# Altium PCB Thunderscope_Rev3.PCBDOC (part 5 of 6) (continued)
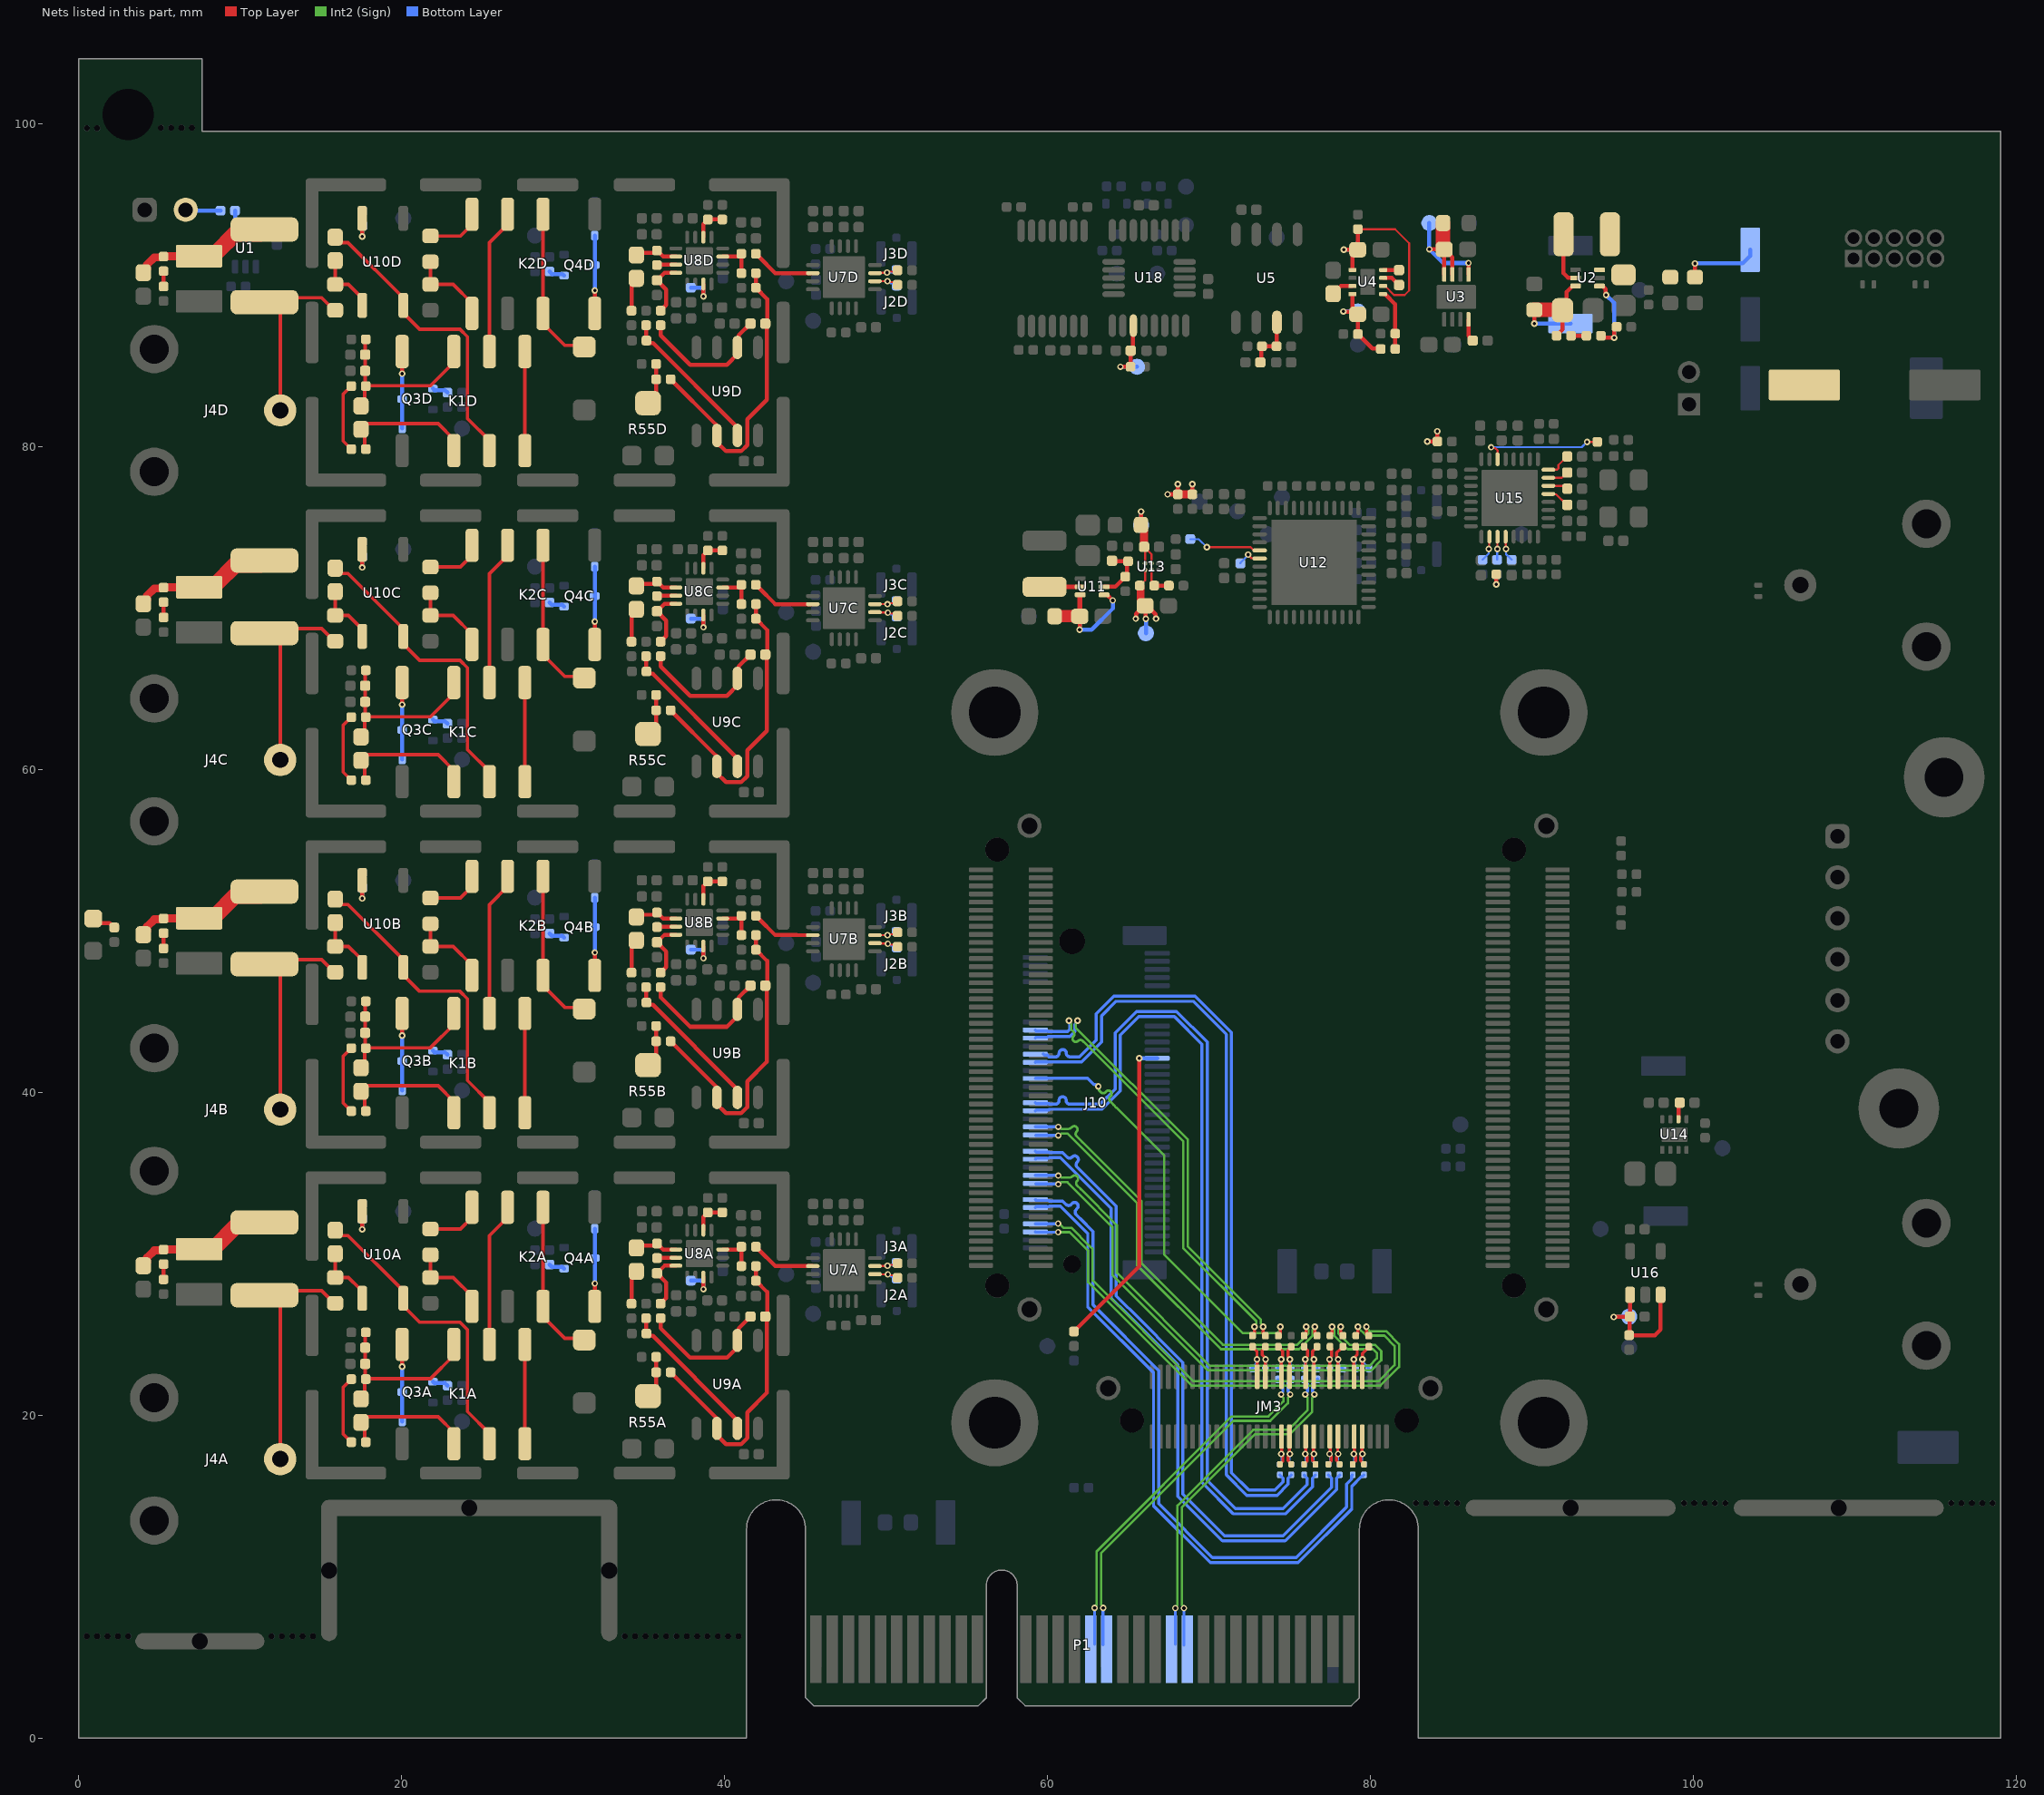
[diagram p9: the nets of this part, all layers, seen from the top]
## Nets (pads, with @x,y where several pads share a name; then routed paths per layer and width w, separated by ;. In a path a pad name is that pad's centre, name@x,y a point inside that pad or via, vN(x,y) a via of type N, cw(c..) or ccw(c..) an arc to the next point about the centre after c; other vN are vias at no path point) (continued)
NetC19D_2: C19D.2 K1D.2 R24D.1 | length 8.3
  Top Layer w0.213: R24D.1@17.775,79.825 17.712,79.888 17.712,80.813 C19D.2@17.475,81.05 C19D.2@17.8,81.375 ; C19D.2@17.8,81.4 22.25,81.4 23.225,80.425 K1D.2@23.225,79.73
NetC27A_1: C27A.1 R34A.2 U8A.2 | length 2.8
  Top Layer w0.25: C27A.1@34.525,30.461 C27A.1@34.525,30.35 34.663,30.488 35.662,30.488 R34A.2@35.8,30.625 35.814,30.625 36.189,30.25 U8A.2@36.975,30.25
NetC27A_2: C27A.2 R31A.2 | length 2.1
  Top Layer w0.25: R31A.2@34.225,26.9 34.225,28.489 34.525,28.789 C27A.2@34.525,28.9
NetC27B_1: C27B.1 R34B.2 U8B.2 | length 2.8
  Top Layer w0.25: C27B.1@34.525,50.85 34.525,50.961 34.552,50.988 35.662,50.988 R34B.2@35.8,51.125 35.814,51.125 36.189,50.75 U8B.2@36.975,50.75
NetC27B_2: C27B.2 R31B.2 | length 2.1
  Top Layer w0.25: R31B.2@34.225,47.4 34.225,48.989 34.525,49.289 C27B.2@34.525,49.4
NetC27C_1: C27C.1 R34C.2 U8C.2 | length 2.8
  Top Layer w0.25: C27C.1@34.525,71.35 34.525,71.461 34.552,71.488 35.662,71.488 R34C.2@35.8,71.625 35.814,71.625 36.189,71.25 U8C.2@36.975,71.25
NetC27C_2: C27C.2 R31C.2 | length 2.1
  Top Layer w0.25: R31C.2@34.225,67.9 34.225,69.489 34.525,69.789 C27C.2@34.525,69.9
NetC27D_1: C27D.1 R34D.2 U8D.2 | length 2.8
  Top Layer w0.25: C27D.1@34.525,91.961 C27D.1@34.525,91.85 34.663,91.988 35.662,91.988 R34D.2@35.8,92.125 35.814,92.125 36.189,91.75 U8D.2@36.975,91.75
NetC27D_2: C27D.2 R31D.2 | length 2.1
  Top Layer w0.25: R31D.2@34.225,88.4 34.225,89.989 34.525,90.289 C27D.2@34.525,90.4
NetC29A_2: C29A.2 R48A.1 U8A.4 | length 3.6
  Top Layer w0.25: R48A.1@36.025,26.9 36.375,27.25 36.375,28.21 C29A.2@35.8,28.785 35.806,28.785 36.271,29.25 U8A.4@36.975,29.25
NetC29B_2: C29B.2 R48B.1 U8B.4 | length 3.6
  Top Layer w0.25: R48B.1@36.025,47.4 36.375,47.75 36.375,48.71 C29B.2@35.8,49.285 35.806,49.285 36.271,49.75 U8B.4@36.975,49.75
NetC29C_2: C29C.2 R48C.1 U8C.4 | length 3.6
  Top Layer w0.25: R48C.1@36.025,67.9 36.375,68.25 36.375,69.21 C29C.2@35.8,69.785 35.806,69.785 36.271,70.25 U8C.4@36.975,70.25
NetC29D_2: C29D.2 R48D.1 U8D.4 | length 3.6
  Top Layer w0.25: R48D.1@36.025,88.4 36.375,88.75 36.375,89.71 C29D.2@35.8,90.285 35.806,90.285 36.271,90.75 U8D.4@36.975,90.75
NetC30A_1: C30A.1 R48A.2 U9A.6 | length 8.6
  Top Layer w0.254: R48A.2@36.025,26 36.025,25.375 37.85,23.55 40.135,23.55 40.851,24.266 40.851,25.361 C30A.1@41.59,26.1
NetC30A_2: C30A.2 R43A.1 R47A.2 R52A.2 U9A.2 | length 19.1
  Top Layer w0.25: R43A.1@41.925,29.225 R47A.2@41.925,28.325 42.625,27.625 42.625,26.215 42.609,26.199 C30A.2@42.51,26.1 42.609,26.001 C30A.2@42.625,25.985
  Top Layer w0.254: R52A.2@36.65,22.65 39.449,19.851 39.449,19.241 U9A.2@39.515,19.175 39.515,18.75 40.069,18.196 41.014,18.196 41.395,18.576 41.395,20.17 42.609,21.384 42.609,26.001 C30A.2@42.609,26.199
NetC30B_1: C30B.1 R48B.2 U9B.6 | length 8.6
  Top Layer w0.254: R48B.2@36.025,46.5 36.025,45.875 37.85,44.05 40.135,44.05 40.851,44.766 40.851,45.861 C30B.1@41.59,46.6
NetC30B_2: C30B.2 R43B.1 R47B.2 R52B.2 U9B.2 | length 19.1
  Top Layer w0.25: R43B.1@41.925,49.725 R47B.2@41.925,48.825 42.625,48.125 42.625,46.715 42.609,46.699 C30B.2@42.51,46.6 42.609,46.501 C30B.2@42.625,46.485
  Top Layer w0.254: R52B.2@36.65,43.15 39.449,40.351 39.449,39.741 U9B.2@39.515,39.675 39.515,39.25 40.069,38.696 41.014,38.696 41.395,39.076 41.395,40.67 42.609,41.884 42.609,46.501 C30B.2@42.609,46.699
NetC30C_1: C30C.1 R48C.2 U9C.6 | length 8.6
  Top Layer w0.254: R48C.2@36.025,67 36.025,66.375 37.85,64.55 40.135,64.55 40.851,65.266 40.851,66.361 C30C.1@41.59,67.1
NetC30C_2: C30C.2 R43C.1 R47C.2 R52C.2 U9C.2 | length 19.1
  Top Layer w0.25: R43C.1@41.925,70.225 R47C.2@41.925,69.325 42.625,68.625 42.625,67.215 42.609,67.199 C30C.2@42.51,67.1 42.609,67.001 C30C.2@42.625,66.985
  Top Layer w0.254: R52C.2@36.65,63.65 39.449,60.851 39.449,60.241 U9C.2@39.515,60.175 39.515,59.75 40.069,59.196 41.014,59.196 41.395,59.576 41.395,61.17 42.609,62.384 42.609,67.001 C30C.2@42.609,67.199
NetC30D_1: C30D.1 R48D.2 U9D.6 | length 8.6
  Top Layer w0.254: R48D.2@36.025,87.5 36.025,86.875 37.85,85.05 40.135,85.05 40.851,85.766 40.851,86.861 C30D.1@41.59,87.6
NetC30D_2: C30D.2 R43D.1 R47D.2 R52D.2 U9D.2 | length 19.1
  Top Layer w0.25: R43D.1@41.925,90.725 R47D.2@41.925,89.825 42.625,89.125 42.625,87.715 42.609,87.699 C30D.2@42.51,87.6 42.609,87.501 C30D.2@42.625,87.485
  Top Layer w0.254: R52D.2@36.65,84.15 39.449,81.351 39.449,80.741 U9D.2@39.515,80.675 39.515,80.25 40.069,79.696 41.014,79.696 41.395,80.076 41.395,81.67 42.609,82.884 42.609,87.501 C30D.2@42.609,87.699
NetC51_1: C51.1 R37.1 R39.2 U11.5 | length 3.6
  Top Layer w0.254: U11.5@63.49,71.3 64.175,71.3 64.9,72.025 64.9,72.8 R37.1@64.975,72.875 64.955,72.895 63.995,72.895 C51.1@63.975,72.915
NetC52_2: C52.2 R36.2 TP27.1 U11.3 U11.4 | length 8.3
  Top Layer w0.254: v1(61.975,68.645) C52.2@61.975,69.475 C52.2@61.992,69.492 ; U11.3@61.992,70.782 U11.3@62.01,70.8 ; U11.4@63.49,70.8 63.675,70.8 v1(64.025,70.45)
  Top Layer w0.3: C52.2@61.992,69.492 U11.3@61.992,70.782
  Top Layer w0.75: R36.2@60.425,69.475 C52.2@61.975,69.475
  Bottom Layer w0.254: TP27.1@61.975,69.475 v1(61.975,68.645) 62.72,68.645 64.025,69.95 v1(64.025,70.45)
NetC59_2: C59.2 R58.2 TP36.1 U13.A2 U13.B2 | length 5.3
  Top Layer w0.127: C59.2@65.965,73.775 C59.2@66.025,73.715 ; U13.A2@66.025,72.75 C59.2@66.025,73.715 ; U13.B2@66.425,72.75 66.425,73.315 C59.2@66.025,73.715
  Top Layer w0.254: R58.2@65.775,75.125 v1(65.775,75.955)
  Top Layer w0.5: R58.2@65.775,75.125 65.965,74.935 C59.2@65.965,73.775
  Bottom Layer w0.254: TP36.1@65.775,75.125 v1(65.775,75.955)
NetC60_2: C60.2 FB1.1 FB2.1 FB3.1 FB4.1 R59.2 TP37.1 U13.A1 | length 11.1
  Top Layer w0.127: R59.2@65.7,71.375 66.025,71.7 U13.A1@66.025,72.35
  Top Layer w0.254: v1(65.45,69.325) 65.465,69.34 65.465,69.628 65.962,70.125 65.975,70.125 C60.2@66.025,70.125 ; v1(66.075,69.32) 66.05,69.345 66.05,70.1 C60.2@66.025,70.125 ; v1(66.7,69.325) 66.671,69.354 66.671,69.589 66.135,70.125 C60.2@66.025,70.125 ; v1(67.42,77.025) FB2.1@68.05,77.025 v1(68.05,77.655) ; FB1.1@68.95,77.025 v1(68.95,77.655) ; v1(83.495,80.3) FB3.1@84.125,80.3 v1(84.125,80.93) ; v1(87.775,71.445) FB4.1@87.775,72.075
  Top Layer w0.5: R59.2@65.7,71.375 65.75,71.325 65.75,70.35 C60.2@65.975,70.125 ; FB2.1@68.05,77.025 FB1.1@68.95,77.025
  Bottom Layer w0.254: TP37.1@66.075,68.425 v1(66.075,69.32)
NetC96_1: C96.1 U15.8 | length 1.6
  Top Layer w0.127: U15.8@91,78.55 91.551,78.55 91.625,78.624 91.625,78.835 C96.1@92.165,79.375
NetC97_1: C97.1 U15.7 | length 1.3
  Top Layer w0.127: U15.7@91,78.05 91.834,78.05 92.159,78.375 C97.1@92.165,78.375
NetC98_1: C98.1 U15.6 | length 1.2
  Top Layer w0.127: U15.6@91,77.55 91.99,77.55 C98.1@92.165,77.375
NetC99_1: C99.1 U15.5 | length 1.4
  Top Layer w0.127: U15.5@91,77.05 91.024,77.026 91.484,77.026 92.136,76.375 C99.1@92.165,76.375
NetC100_2: C100.2 R14.1 R16.2 U5.3 | length 3.4
  Top Layer w0.254: C100.2@73.16,85.2 73.213,85.253 73.213,86.147 R14.1@73.265,86.2 R16.2@74.165,86.2 74.178,86.212 74.178,87.662 U5.3@74.19,87.675
NetC101A_1: C101A.1 GDT1A.2 R99A.2 VAR1A.2 | length 8.8
  Top Layer w0.5: C101A.1@4,29.25 4.225,29.475 4.225,29.75 4.675,30.2 5.2,30.2 5.263,30.262 7.437,30.262 VAR1A.2@7.45,30.275
  Top Layer w1: VAR1A.2@7.45,30.275 7.65,30.475 8.5,30.475 9.7,31.675 11.25,31.675 GDT1A.2@11.5,31.925
NetC101B_1: C101B.1 GDT1B.2 R99B.2 VAR1B.2 | length 8.8
  Top Layer w0.5: C101B.1@4,49.75 4.225,49.975 4.225,50.25 4.675,50.7 5.2,50.7 5.263,50.762 7.437,50.762 VAR1B.2@7.45,50.775
  Top Layer w1: VAR1B.2@7.45,50.775 7.65,50.975 8.5,50.975 9.7,52.175 11.25,52.175 GDT1B.2@11.5,52.425
NetC101C_1: C101C.1 GDT1C.2 R99C.2 VAR1C.2 | length 8.8
  Top Layer w0.5: C101C.1@4,70.25 4.225,70.475 4.225,70.75 4.675,71.2 5.2,71.2 5.263,71.262 7.437,71.262 VAR1C.2@7.45,71.275
  Top Layer w1: VAR1C.2@7.45,71.275 7.65,71.475 8.5,71.475 9.7,72.675 11.25,72.675 GDT1C.2@11.5,72.925
NetC101D_1: C101D.1 GDT1D.2 R99D.2 VAR1D.2 | length 8.8
  Top Layer w0.5: C101D.1@4,90.75 4.225,90.975 4.225,91.25 4.675,91.7 5.2,91.7 5.263,91.762 7.437,91.762 VAR1D.2@7.45,91.775
  Top Layer w1: VAR1D.2@7.45,91.775 7.65,91.975 8.5,91.975 9.7,93.175 11.25,93.175 GDT1D.2@11.5,93.425
NetC105_2: C105.2 R104.2 TP30.1 U16.1 U16.3 | length 8.7
  Top Layer w0.254: v1(95.05,26.075) 95.063,26.088 96.027,26.088 C105.2@96.04,26.1 ; U16.1@96.05,27.45 96.045,27.445 96.045,26.105 C105.2@96.04,26.1 ; U16.3@97.95,27.45 97.95,25.3 97.6,24.95 R104.2@96,24.95 96.04,24.99 C105.2@96.04,26.1
  Bottom Layer w0.254: v1(95.05,26.075) 95.063,26.088 95.987,26.088 TP30.1@96,26.1
NetC110_2: C110.2 FB7.1 TP17.1 U18.3 | length 4.3
  Top Layer w0.254: v1(64.5,84.925) FB7.1@65.125,84.925 65.13,84.93 65.13,85.92 C110.2@65.135,85.925 65.262,86.052 65.262,87.438 U18.3@65.3,87.475
  Bottom Layer w0.254: v1(64.5,84.925) TP17.1@65.525,84.925
NetD1_2: D1.2 R67.1 | length 1.4
  Top Layer w0.254: D1.2@0.9,50.5 0.925,50.475 1.912,50.475 2.188,50.2 R67.1@2.2,50.2
NetD2A_2: D2A.2 K1A.8 Q3A.1 | length 4.8
  Top Layer w0.254: v1(20.025,23) K1A.8@20.025,24.37
  Bottom Layer w0.254: D2A.2@20.025,19.605 Q3A.1@20.025,21.425 v1(20.025,23)
NetD2B_2: D2B.2 K1B.8 Q3B.1 | length 4.8
  Top Layer w0.254: v1(20.025,43.5) K1B.8@20.025,44.87
  Bottom Layer w0.254: D2B.2@20.025,40.105 Q3B.1@20.025,41.925 v1(20.025,43.5)
NetD2C_2: D2C.2 K1C.8 Q3C.1 | length 4.8
  Top Layer w0.254: v1(20.025,64) K1C.8@20.025,65.37
  Bottom Layer w0.254: D2C.2@20.025,60.605 Q3C.1@20.025,62.425 v1(20.025,64)
NetD2D_2: D2D.2 K1D.8 Q3D.1 | length 4.8
  Top Layer w0.254: v1(20.025,84.5) K1D.8@20.025,85.87
  Bottom Layer w0.254: D2D.2@20.025,81.105 Q3D.1@20.025,82.925 v1(20.025,84.5)
NetD3A_2: D3A.2 K2A.8 Q4A.1 | length 4.8
  Top Layer w0.254: K2A.8@31.95,26.73 v1(31.95,28.15)
  Bottom Layer w0.254: v1(31.95,28.15) Q4A.1@31.95,29.725 D3A.2@31.95,31.545
NetD3B_2: D3B.2 K2B.8 Q4B.1 | length 4.8
  Top Layer w0.254: K2B.8@31.95,47.23 v1(31.95,48.65)
  Bottom Layer w0.254: v1(31.95,48.65) Q4B.1@31.95,50.225 D3B.2@31.95,52.045
NetD3C_2: D3C.2 K2C.8 Q4C.1 | length 4.8
  Top Layer w0.254: K2C.8@31.95,67.73 v1(31.95,69.15)
  Bottom Layer w0.254: v1(31.95,69.15) Q4C.1@31.95,70.725 D3C.2@31.95,72.545
NetD3D_2: D3D.2 K2D.8 Q4D.1 | length 4.8
  Top Layer w0.254: K2D.8@31.95,88.23 v1(31.95,89.65)
  Bottom Layer w0.254: v1(31.95,89.65) Q4D.1@31.95,91.225 D3D.2@31.95,93.045
NetGDT1A_1: GDT1A.1 J4A.1 R65A.1 | length 15.7
  Top Layer w0.213: GDT1A.1@11.779,27.704 15.046,27.704 15.8,26.95 15.8,26.925 R65A.1@15.85,26.925 ; GDT1A.1@11.875,27.8 GDT1A.1@11.5,27.425 11.871,27.425 12.475,26.821 J4A.1@12.475,17.275
NetGDT1B_1: GDT1B.1 J4B.1 R65B.1 | length 14.6
  Top Layer w0.213: GDT1B.1@11.779,48.204 15.046,48.204 15.8,47.45 15.8,47.425 R65B.1@15.85,47.425 ; GDT1B.1@11.875,48.3 GDT1B.1@11.5,47.925 11.871,47.925 12.475,47.321 J4B.1@12.475,38.925
NetGDT1C_1: GDT1C.1 J4C.1 R65C.1 | length 13.4
  Top Layer w0.213: GDT1C.1@11.779,68.704 15.046,68.704 15.8,67.95 15.8,67.925 R65C.1@15.85,67.925 ; GDT1C.1@11.875,68.8 GDT1C.1@11.5,68.425 11.871,68.425 12.475,67.821 J4C.1@12.475,60.575
NetGDT1D_1: GDT1D.1 J4D.1 R65D.1 | length 12.3
  Top Layer w0.213: GDT1D.1@11.875,89.3 GDT1D.1@11.779,89.204 ; J4D.1@12.475,82.225 12.475,88.321 11.871,88.925 GDT1D.1@11.5,88.925 GDT1D.1@11.779,89.204 ; R65D.1@15.85,88.425 15.8,88.425 15.8,88.45 15.046,89.204 GDT1D.1@11.779,89.204
NetJ1_2: J1.2 R1.1 | length 2.2
  Top Layer w0.254: J1.2@6.62,94.5 J1.2@6.623,94.497
  Bottom Layer w0.254: J1.2@6.628,94.602 8.772,94.602 R1.1@8.775,94.6
NetK1A_4: K1A.4 K1A.5 | length 6.1
  Top Layer w0.213: K1A.4@27.625,18.23 K1A.5@27.625,24.37
NetK1A_6: K1A.6 K2A.3 | length 9
  Top Layer w0.213: K1A.6@25.425,24.37 25.425,31.115 26.55,32.24 K2A.3@26.55,32.87
NetK1B_4: K1B.4 K1B.5 | length 6.1
  Top Layer w0.213: K1B.4@27.625,38.73 K1B.5@27.625,44.87
NetK1B_6: K1B.6 K2B.3 | length 9
  Top Layer w0.213: K1B.6@25.425,44.87 25.425,51.615 26.55,52.74 K2B.3@26.55,53.37
NetK1C_4: K1C.4 K1C.5 | length 6.1
  Top Layer w0.213: K1C.4@27.625,59.23 K1C.5@27.625,65.37
NetK1C_6: K1C.6 K2C.3 | length 9
  Top Layer w0.213: K1C.6@25.425,65.37 25.425,72.115 26.55,73.24 K2C.3@26.55,73.87
NetK1D_4: K1D.4 K1D.5 | length 6.1
  Top Layer w0.213: K1D.4@27.625,79.73 K1D.5@27.625,85.87
NetK1D_6: K1D.6 K2D.3 | length 9
  Top Layer w0.213: K1D.6@25.425,85.87 25.425,92.615 26.55,93.74 K2D.3@26.55,94.37
NetK2A_4: K2A.4 R45A.1 | length 3.5
  Top Layer w0.213: R45A.1@21.775,31.525 23.635,31.525 24.35,32.24 K2A.4@24.35,32.87
NetK2A_5: K2A.5 R45A.2 R53A.2 | length 5.1
  Top Layer w0.213: R45A.2@21.775,29.925 R53A.2@21.775,28.525 23.185,28.525 24.35,27.36 K2A.5@24.35,26.73
NetK2B_4: K2B.4 R45B.1 | length 3.5
  Top Layer w0.213: R45B.1@21.775,52.025 23.635,52.025 24.35,52.74 K2B.4@24.35,53.37
NetK2B_5: K2B.5 R45B.2 R53B.2 | length 5.1
  Top Layer w0.213: R45B.2@21.775,50.425 R53B.2@21.775,49.025 23.185,49.025 24.35,47.86 K2B.5@24.35,47.23
NetK2C_4: K2C.4 R45C.1 | length 2.9
  Top Layer w0.213: R45C.1@21.775,72.525 23.635,72.525 K2C.4@24.35,73.24
NetK2C_5: K2C.5 R45C.2 R53C.2 | length 4.5
  Top Layer w0.213: R45C.2@21.775,70.925 R53C.2@21.775,69.525 23.185,69.525 K2C.5@24.35,68.36
NetK2D_4: K2D.4 R45D.1 | length 3.5
  Top Layer w0.213: R45D.1@21.775,93.025 23.635,93.025 24.35,93.74 K2D.4@24.35,94.37
NetK2D_5: K2D.5 R45D.2 R53D.2 | length 5.1
  Top Layer w0.213: R45D.2@21.775,91.425 R53D.2@21.775,90.025 23.185,90.025 24.35,88.86 K2D.5@24.35,88.23
NetL1_2: L1.2 U2.5 | length 3.3
  Top Layer w0.254: L1.2@91.94,93.125 91.94,90.71 92.219,90.431 92.679,90.431 U2.5@92.685,90.425
NetL2_1: L2.1 U11.2 | length 2.2
  Top Layer w0.254: L2.1@59.8,71.29 L2.1@59.805,71.295
  Top Layer w0.3: L2.1@59.81,71.3 U11.2@62.01,71.3
NetQ3A_2: Q3A.2 R27A.1 | length 1
  Bottom Layer w0.254: Q3A.2@21.925,22.075 22.025,21.975 22.675,21.975 R27A.1@22.825,21.825
NetQ3B_2: Q3B.2 R27B.1 | length 1
  Bottom Layer w0.254: Q3B.2@21.925,42.575 22.025,42.475 22.675,42.475 R27B.1@22.825,42.325
NetQ3C_2: Q3C.2 R27C.1 | length 1
  Bottom Layer w0.254: Q3C.2@21.925,63.075 22.025,62.975 22.675,62.975 R27C.1@22.825,62.825
NetQ3D_2: Q3D.2 R27D.1 | length 1
  Bottom Layer w0.254: Q3D.2@21.925,83.575 22.025,83.475 22.675,83.475 R27D.1@22.825,83.325
NetQ4A_2: Q4A.2 R56A.1 | length 1
  Bottom Layer w0.254: R56A.1@29.15,29.325 29.3,29.175 29.95,29.175 Q4A.2@30.05,29.075
NetQ4B_2: Q4B.2 R56B.1 | length 1
  Bottom Layer w0.254: R56B.1@29.15,49.825 29.3,49.675 29.95,49.675 Q4B.2@30.05,49.575
NetQ4C_2: Q4C.2 R56C.1 | length 1
  Bottom Layer w0.254: R56C.1@29.15,70.325 29.3,70.175 29.95,70.175 Q4C.2@30.05,70.075
NetQ4D_2: Q4D.2 R56D.1 | length 1
  Bottom Layer w0.254: R56D.1@29.15,90.825 29.3,90.675 29.95,90.675 Q4D.2@30.05,90.575
NetR1_2: R1.2 U1.4 | length 1.2
  Bottom Layer w0.254: U1.4@9.675,93.375 R1.2@9.675,94.6
NetR10_1: R10.1 R12.2 | length 0.9
  Top Layer w0.254: R10.1@92.4,86.85 R12.2@93.35,86.85
NetR11_1: R11.1 R13.2 U4.5 | length 3.8
  Top Layer w0.254: U4.5@80.766,89.426 80.887,89.426 81.516,88.797 R13.2@81.516,86.976 R11.1@81.516,86.026
NetR12_1: R12.1 R105.2 U2.1 | length 5.3
  Top Layer w0.254: U2.1@94.165,89.925 94.35,89.925 94.546,89.729 94.546,89.404 v1(94.575,89.375) ; R12.1@94.25,86.85 94.38,86.72 v1(95.07,86.72) 95.07,87.245 R105.2@95.225,87.4
  Bottom Layer w0.254: v1(94.575,89.375) 95.07,88.88 v1(95.07,86.72)
NetR24A_2: R24A.2 R25A.1 | length 4.3
  Top Layer w0.213: R24A.2@16.875,18.325 16.375,18.825 16.375,21.725 R25A.1@16.875,22.225
NetR24B_2: R24B.2 R25B.1 | length 4.3
  Top Layer w0.213: R24B.2@16.875,38.825 16.375,39.325 16.375,42.225 R25B.1@16.875,42.725
NetR24C_2: R24C.2 R25C.1 | length 4.3
  Top Layer w0.213: R24C.2@16.875,59.325 16.375,59.825 16.375,62.725 R25C.1@16.875,63.225
NetR24D_2: R24D.2 R25D.1 | length 4.3
  Top Layer w0.213: R24D.2@16.875,79.825 16.375,80.325 16.375,83.225 R25D.1@16.875,83.725
NetR32A_1: R32A.1 U8A.7 | length 2
  Top Layer w0.127: U8A.7@38.675,28.55 U8A.7@38.678,28.547 ; v1@38.678,27.795 v1(38.68,27.792)
  Top Layer w0.25: v1@38.678,27.795 U8A.7@38.678,28.547
  Bottom Layer w0.25: R32A.1@37.9,28.325 38.534,28.325 38.68,28.179 v1(38.68,27.792)
NetR32B_1: R32B.1 U8B.7 | length 2
  Top Layer w0.127: U8B.7@38.675,49.05 U8B.7@38.678,49.047 ; v1@38.678,48.295 v1(38.68,48.292)
  Top Layer w0.25: v1@38.678,48.295 U8B.7@38.678,49.047
  Bottom Layer w0.25: R32B.1@37.9,48.825 38.534,48.825 38.68,48.679 v1(38.68,48.292)
NetR32C_1: R32C.1 U8C.7 | length 2
  Top Layer w0.127: U8C.7@38.675,69.55 U8C.7@38.678,69.547 ; v1@38.678,68.795 v1(38.68,68.792)
  Top Layer w0.25: v1@38.678,68.795 U8C.7@38.678,69.547
  Bottom Layer w0.25: R32C.1@37.9,69.325 38.534,69.325 38.68,69.179 v1(38.68,68.792)
NetR32D_1: R32D.1 U8D.7 | length 2
  Top Layer w0.127: U8D.7@38.675,90.05 U8D.7@38.678,90.047 ; v1@38.678,89.295 v1(38.68,89.292)
  Top Layer w0.25: v1@38.678,89.295 U8D.7@38.678,90.047
  Bottom Layer w0.25: R32D.1@37.9,89.825 38.534,89.825 38.68,89.679 v1(38.68,89.292)
NetR33A_1: R33A.1 R43A.2 U8A.11 | length 2.4
  Top Layer w0.127: R33A.1@40.85,30.25 R33A.1@41.025,30.425 R33A.1@41.043,30.407 ; R43A.2@41.025,29.225 R43A.2@41.043,29.243
  Top Layer w0.25: U8A.11@39.875,30.25 R33A.1@40.85,30.25 ; R43A.2@41.043,29.243 R33A.1@41.043,30.407
NetR33A_2: R33A.2 U7A.6 | length 4
  Top Layer w0.127: R33A.2@41.925,30.425 R33A.2@42.1,30.25
  Top Layer w0.25: 44.45,29.225 U7A.6@45.45,29.225
  Top Layer w0.254: R33A.2@42.1,30.25 43.125,29.225 44.45,29.225
NetR33B_1: R33B.1 R43B.2 U8B.11 | length 2.4
  Top Layer w0.127: R33B.1@40.85,50.75 R33B.1@41.025,50.925 R33B.1@41.043,50.907 ; R43B.2@41.025,49.725 R43B.2@41.043,49.743
  Top Layer w0.25: U8B.11@39.875,50.75 R33B.1@40.85,50.75 ; R43B.2@41.043,49.743 R33B.1@41.043,50.907
NetR33B_2: R33B.2 U7B.6 | length 4
  Top Layer w0.127: R33B.2@41.925,50.925 R33B.2@42.1,50.75
  Top Layer w0.25: 44.45,49.725 U7B.6@45.45,49.725
  Top Layer w0.254: R33B.2@42.1,50.75 43.125,49.725 44.45,49.725
NetR33C_1: R33C.1 R43C.2 U8C.11 | length 2.4
  Top Layer w0.127: R33C.1@40.85,71.25 R33C.1@41.025,71.425 R33C.1@41.043,71.407 ; R43C.2@41.025,70.225 R43C.2@41.043,70.243
  Top Layer w0.25: U8C.11@39.875,71.25 R33C.1@40.85,71.25 ; R43C.2@41.043,70.243 R33C.1@41.043,71.407
NetR33C_2: R33C.2 U7C.6 | length 4
  Top Layer w0.127: R33C.2@41.925,71.425 R33C.2@42.1,71.25
  Top Layer w0.25: 44.45,70.225 U7C.6@45.45,70.225
  Top Layer w0.254: R33C.2@42.1,71.25 43.125,70.225 44.45,70.225
NetR33D_1: R33D.1 R43D.2 U8D.11 | length 2.4
  Top Layer w0.127: R33D.1@40.85,91.75 R33D.1@41.025,91.925 R33D.1@41.043,91.907 ; R43D.2@41.025,90.725 R43D.2@41.043,90.743
  Top Layer w0.25: U8D.11@39.875,91.75 R33D.1@40.85,91.75 ; R43D.2@41.043,90.743 R33D.1@41.043,91.907
NetR33D_2: R33D.2 U7D.6 | length 4
  Top Layer w0.127: R33D.2@41.925,91.925 R33D.2@42.1,91.75
  Top Layer w0.25: 44.45,90.725 U7D.6@45.45,90.725
  Top Layer w0.254: R33D.2@42.1,91.75 43.125,90.725 44.45,90.725
NetR34A_1: R34A.1 U8A.3 | length 1.2
  Top Layer w0.25: R34A.1@35.8,29.725 35.825,29.75 U8A.3@36.975,29.75
NetR34B_1: R34B.1 U8B.3 | length 1.2
  Top Layer w0.25: R34B.1@35.8,50.225 35.825,50.25 U8B.3@36.975,50.25
NetR34C_1: R34C.1 U8C.3 | length 1.2
  Top Layer w0.25: R34C.1@35.8,70.725 35.825,70.75 U8C.3@36.975,70.75
NetR34D_1: R34D.1 U8D.3 | length 1.2
  Top Layer w0.25: R34D.1@35.8,91.225 35.825,91.25 U8D.3@36.975,91.25
NetR35A_2: R35A.2 U10A.2 | length 1.8
  Top Layer w0.254: v1(17.55,31.5) 17.553,31.502 17.553,32.617 U10A.2@17.555,32.62
  Bottom Layer w0.254: v1(17.55,31.5) 17.552,31.502 17.552,32.167 R35A.2@17.555,32.17
NetR35B_2: R35B.2 U10B.2 | length 1.8
  Top Layer w0.254: v1(17.55,52) 17.553,52.002 17.553,53.117 U10B.2@17.555,53.12
  Bottom Layer w0.254: v1(17.55,52) 17.552,52.002 17.552,52.667 R35B.2@17.555,52.67
NetR35C_2: R35C.2 U10C.2 | length 1.8
  Top Layer w0.254: v1(17.55,72.5) 17.553,72.502 17.553,73.618 U10C.2@17.555,73.62
  Bottom Layer w0.254: v1(17.55,72.5) 17.552,72.502 17.552,73.167 R35C.2@17.555,73.17
NetR35D_2: R35D.2 U10D.2 | length 1.8
  Top Layer w0.254: v1(17.55,93) 17.553,93.002 17.553,94.118 U10D.2@17.555,94.12
  Bottom Layer w0.254: v1(17.55,93) 17.553,93.002 17.553,93.667 R35D.2@17.555,93.67
NetR41A_1: R41A.1 R49A.2 U9A.3 | length 9.3
  Top Layer w0.25: R49A.2@35.125,26 35.138,25.988 R41A.1@35.138,25.063 ; R41A.1@35.15,25.05 R41A.1@35.164,25.05
  Top Layer w0.254: R41A.1@35.15,25.05 35.296,24.904 35.546,24.904 40.785,19.665 U9A.3@40.785,19.175
NetR41B_1: R41B.1 R49B.2 U9B.3 | length 9.3
  Top Layer w0.25: R49B.2@35.125,46.5 35.138,46.488 R41B.1@35.138,45.563 ; R41B.1@35.15,45.55 R41B.1@35.164,45.55
  Top Layer w0.254: R41B.1@35.15,45.55 35.296,45.404 35.546,45.404 40.785,40.165 U9B.3@40.785,39.675
NetR41C_1: R41C.1 R49C.2 U9C.3 | length 9.3
  Top Layer w0.25: R49C.2@35.125,67 35.138,66.988 R41C.1@35.138,66.063 ; R41C.1@35.15,66.05 R41C.1@35.164,66.05
  Top Layer w0.254: R41C.1@35.15,66.05 35.296,65.904 35.546,65.904 40.785,60.665 U9C.3@40.785,60.175
NetR41D_1: R41D.1 R49D.2 U9D.3 | length 9.3
  Top Layer w0.25: R49D.2@35.125,87.5 35.138,87.488 R41D.1@35.138,86.563 ; R41D.1@35.15,86.55 R41D.1@35.164,86.55
  Top Layer w0.254: R41D.1@35.15,86.55 35.296,86.404 35.546,86.404 40.785,81.165 U9D.3@40.785,80.675
NetR44_1: R44.1 U12.5 | length 4.6
  Top Layer w0.127: v1(69.85,73.75) 72.56,73.75 72.76,73.55 U12.5@73.118,73.55
  Bottom Layer w0.127: R44.1@68.825,74.25 69.35,74.25 v1(69.85,73.75)
NetR46_1: R46.1 U12.6 | length 1.6
  Top Layer w0.127: v1(72.406,73.29) 72.406,73.284 72.62,73.07 73.098,73.07 U12.6@73.118,73.05
  Bottom Layer w0.127: R46.1@71.925,72.75 71.925,72.779 72.406,73.261 v1(72.406,73.29)
NetR50A_2: R50A.2 R51A.2 U8A.14 | length 2.1
  Top Layer w0.25: U8A.14@38.675,31.45 38.675,32.261 38.95,32.536 R51A.2@38.95,32.55 R50A.2@39.85,32.55
NetR50B_2: R50B.2 R51B.2 U8B.14 | length 2.1
  Top Layer w0.25: U8B.14@38.675,51.95 38.675,52.761 38.95,53.036 R51B.2@38.95,53.05 R50B.2@39.85,53.05
NetR50C_2: R50C.2 R51C.2 U8C.14 | length 2.1
  Top Layer w0.25: U8C.14@38.675,72.45 38.675,73.261 38.95,73.536 R51C.2@38.95,73.55 R50C.2@39.85,73.55
NetR50D_2: R50D.2 R51D.2 U8D.14 | length 2.1
  Top Layer w0.25: U8D.14@38.675,92.95 38.675,93.761 38.95,94.036 R51D.2@38.95,94.05 R50D.2@39.85,94.05
NetR52A_1: R52A.1 R54A.2 R55A.2 | length 2.6
  Top Layer w0.254: R55A.2@35.25,21.175 35.75,21.675 R52A.1@35.75,22.65 R52A.1@35.649,22.65 ; R52A.1@35.75,22.751 R54A.2@35.75,23.6
NetR52B_1: R52B.1 R54B.2 R55B.2 | length 2.6
  Top Layer w0.254: R55B.2@35.25,41.675 35.75,42.175 R52B.1@35.75,43.15 R52B.1@35.649,43.15 ; R52B.1@35.75,43.251 R54B.2@35.75,44.1
NetR52C_1: R52C.1 R54C.2 R55C.2 | length 2.6
  Top Layer w0.254: R55C.2@35.25,62.175 35.75,62.675 R52C.1@35.75,63.65 R52C.1@35.649,63.65 ; R52C.1@35.75,63.751 R54C.2@35.75,64.6
NetR52D_1: R52D.1 R54D.2 R55D.2 | length 2.9
  Top Layer w0.254: R55D.2@35.25,82.675 35.75,83.175 R52D.1@35.75,84.15 35.649,84.15 35.75,84.251 R54D.2@35.75,85.275
NetR59_1: R59.1 R61.2 U13.B1 | length 1.9
  Top Layer w0.127: U13.B1@66.425,72.35 66.425,71.55 R59.1@66.6,71.375
  Top Layer w0.254: R59.1@66.6,71.375 R61.2@67.5,71.375
NetR88_1: R88.1 U15.14 | length 7.7
  Top Layer w0.127: v1(87.454,79.943) 87.504,79.893 87.707,79.893 87.85,79.75 U15.14@87.85,79.2 ; v1(93.395,80.275) R88.1@94.025,80.275
  Bottom Layer w0.127: v1(87.454,79.943) 93.063,79.943 v1(93.395,80.275)
NetR92_2: R92.2 U15.28 | length 1.6
  Top Layer w0.127: U15.28@88.35,74.4 88.363,74.387 88.363,73.658 v1(88.375,73.646)
  Bottom Layer w0.127: v1(88.375,73.646) 88.375,73.325 R92.2@88.725,72.975
NetR93_2: R93.2 U15.27 | length 1.4
  Top Layer w0.127: v1(87.841,73.645) 87.846,73.649 87.846,74.396 U15.27@87.85,74.4
  Bottom Layer w0.127: R93.2@87.825,72.975 87.833,72.983 87.833,73.637 v1(87.841,73.645)
NetR94_2: R94.2 U15.26 | length 1.6
  Top Layer w0.127: v1(87.307,73.647) 87.329,73.668 87.329,74.379 U15.26@87.35,74.4
  Bottom Layer w0.127: R94.2@86.925,72.975 87.307,73.357 v1(87.307,73.647)
NetR99A_1: R99A.1 R100A.2 | length 0.9
  Top Layer w0.254: R100A.2@5.25,28.4 R99A.1@5.25,29.35
NetR99B_1: R99B.1 R100B.2 | length 0.9
  Top Layer w0.254: R100B.2@5.25,48.9 R99B.1@5.25,49.85
NetR99C_1: R99C.1 R100C.2 | length 0.9
  Top Layer w0.254: R100C.2@5.25,69.4 R99C.1@5.25,70.35
NetR99D_1: R99D.1 R100D.2 | length 0.9
  Top Layer w0.254: R100D.2@5.25,89.9 R99D.1@5.25,90.85
OUT_RA_N: J2A.1 R40A.1 U7A.14 | length 2
  Top Layer w0.127: U7A.14@49.353,28.725 49.357,28.721 50.091,28.721 50.149,28.664 50.536,28.664 R40A.1@50.586,28.614
  Bottom Layer w0.127: v1(50.095,28.717) 50.171,28.717 50.297,28.591 50.484,28.591 J2A.1@50.65,28.425
OUT_RA_P: J3A.1 R30A.1 U7A.15 | length 1.9
  Top Layer w0.127: U7A.15@49.317,29.241 49.321,29.237 50.062,29.237 50.128,29.303 50.503,29.303 R30A.1@50.553,29.253
  Bottom Layer w0.127: v1(50.075,29.25) 50.128,29.303 50.437,29.303 50.465,29.275 J3A.1@50.631,29.441
OUT_RB_N: J2B.1 R40B.1 U7B.14 | length 1.9
  Top Layer w0.127: U7B.14@49.353,49.225 49.37,49.208 50.079,49.208 50.149,49.139 50.561,49.139 R40B.1@50.586,49.114
  Bottom Layer w0.127: v1(50.095,49.192) 50.171,49.192 50.272,49.091 50.484,49.091 J2B.1@50.65,48.925
OUT_RB_P: J3B.1 R30B.1 U7B.15 | length 1.9
  Top Layer w0.127: U7B.15@49.333,49.725 v1(50.075,49.725) 50.128,49.778 50.528,49.778 R30B.1@50.553,49.753
  Bottom Layer w0.127: v1(50.075,49.725) 50.128,49.778 50.462,49.778 50.465,49.775 J3B.1@50.631,49.941
OUT_RC_N: J2C.1 R40C.1 U7C.14 | length 1.9
  Top Layer w0.127: U7C.14@49.353,69.725 49.37,69.708 50.079,69.708 50.149,69.639 50.561,69.639 R40C.1@50.586,69.614
  Bottom Layer w0.127: v1(50.095,69.692) 50.171,69.692 50.272,69.591 50.484,69.591 J2C.1@50.65,69.425
OUT_RC_P: J3C.1 R30C.1 U7C.15 | length 1.9
  Top Layer w0.127: U7C.15@49.333,70.225 v1(50.075,70.225) 50.128,70.278 50.528,70.278 R30C.1@50.553,70.253
  Bottom Layer w0.127: v1(50.075,70.225) 50.128,70.278 50.462,70.278 50.465,70.275 J3C.1@50.631,70.441
OUT_RD_N: J2D.1 R40D.1 U7D.14 | length 2.1
  Top Layer w0.127: U7D.14@49.353,90.225 v1(50.075,90.225) 50.128,90.172 50.528,90.172 R40D.1@50.7,90
  Bottom Layer w0.127: v1(50.075,90.225) 50.151,90.225 50.285,90.091 50.484,90.091 J2D.1@50.65,89.925
OUT_RD_P: J3D.1 R30D.1 U7D.15 | length 2.1
  Top Layer w0.127: U7D.15@49.3,90.725 49.317,90.742 50.038,90.742 50.108,90.811 50.611,90.811 R30D.1@50.7,90.9
  Bottom Layer w0.127: v1(50.055,90.758) 50.072,90.775 50.465,90.775 J3D.1@50.631,90.941
PCIe_PER0_N: C74.1 P1.A17 | length 22.7
  Int2 (Sign) w0.148: v1@63.429,8.124 63.3,8.253 63.3,11.45 71.491,19.641 73.773,19.641 74.868,20.736 74.868,21.062 75.011,21.205 v1(75.011,21.275)
  Bottom Layer w0.191: P1.A17@63.429,5.765 v1(63.429,8.054) ; C74.1@74.975,22.21 74.975,22.085 74.875,21.985 74.875,21.469 75.011,21.333 v1(75.011,21.275)
PCIe_PER0_P: C75.1 P1.A16 | length 22.8
  Int2 (Sign) w0.148: v1@62.896,8.124 63.025,8.253 63.025,11.564 71.377,19.916 73.659,19.916 74.593,20.85 74.593,21.062 74.45,21.205 v1(74.45,21.275)
  Bottom Layer w0.191: P1.A16@62.896,5.808 v1(62.896,8.054) ; C75.1@74.265,22.195 74.378,22.081 74.44,22.081 74.557,21.964 74.557,21.441 74.45,21.333 v1(74.45,21.275)
PCIe_PER1_N: C70.1 P1.A22 | length 21.3
  Int2 (Sign) w0.148: 68.3,8.242 68.3,14.275 72.843,18.818 74.993,18.818 76.368,20.193 76.368,21.062 76.511,21.205 v1(76.511,21.275) ; 68.3,8.243 v1@68.429,8.113
  Bottom Layer w0.191: P1.A22@68.429,5.755 v1(68.429,8.043) ; v1(76.511,21.275) 76.511,21.333 76.401,21.443 76.401,21.936 76.546,22.081 76.561,22.081 76.716,22.236 C70.1@76.716,22.251
PCIe_PER1_P: C71.1 P1.A21 | length 21.1
  Int2 (Sign) w0.148: v1@67.896,8.113 68.025,8.242 68.025,14.389 72.73,19.093 74.88,19.093 76.093,20.307 76.093,21.062 75.95,21.205 v1(75.95,21.275)
  Bottom Layer w0.191: P1.A21@67.896,5.797 v1(67.896,8.043) ; C71.1@75.94,22.081 75.978,22.081 75.984,22.076 75.984,22.037 76.083,21.938 76.083,21.466 75.95,21.333 v1(75.95,21.275)